# Altium PCB PCB1.PcbDoc (part 2 of 3)
Units mil, origin at the board's own origin, x right, y up, seen from the top; angles counter-clockwise.
Board outline 3150.03 x 1875.03 mil, 2 copper layers (Top Layer, Bottom Layer); 72 components, 86 nets, 315 pads, 165 vias.
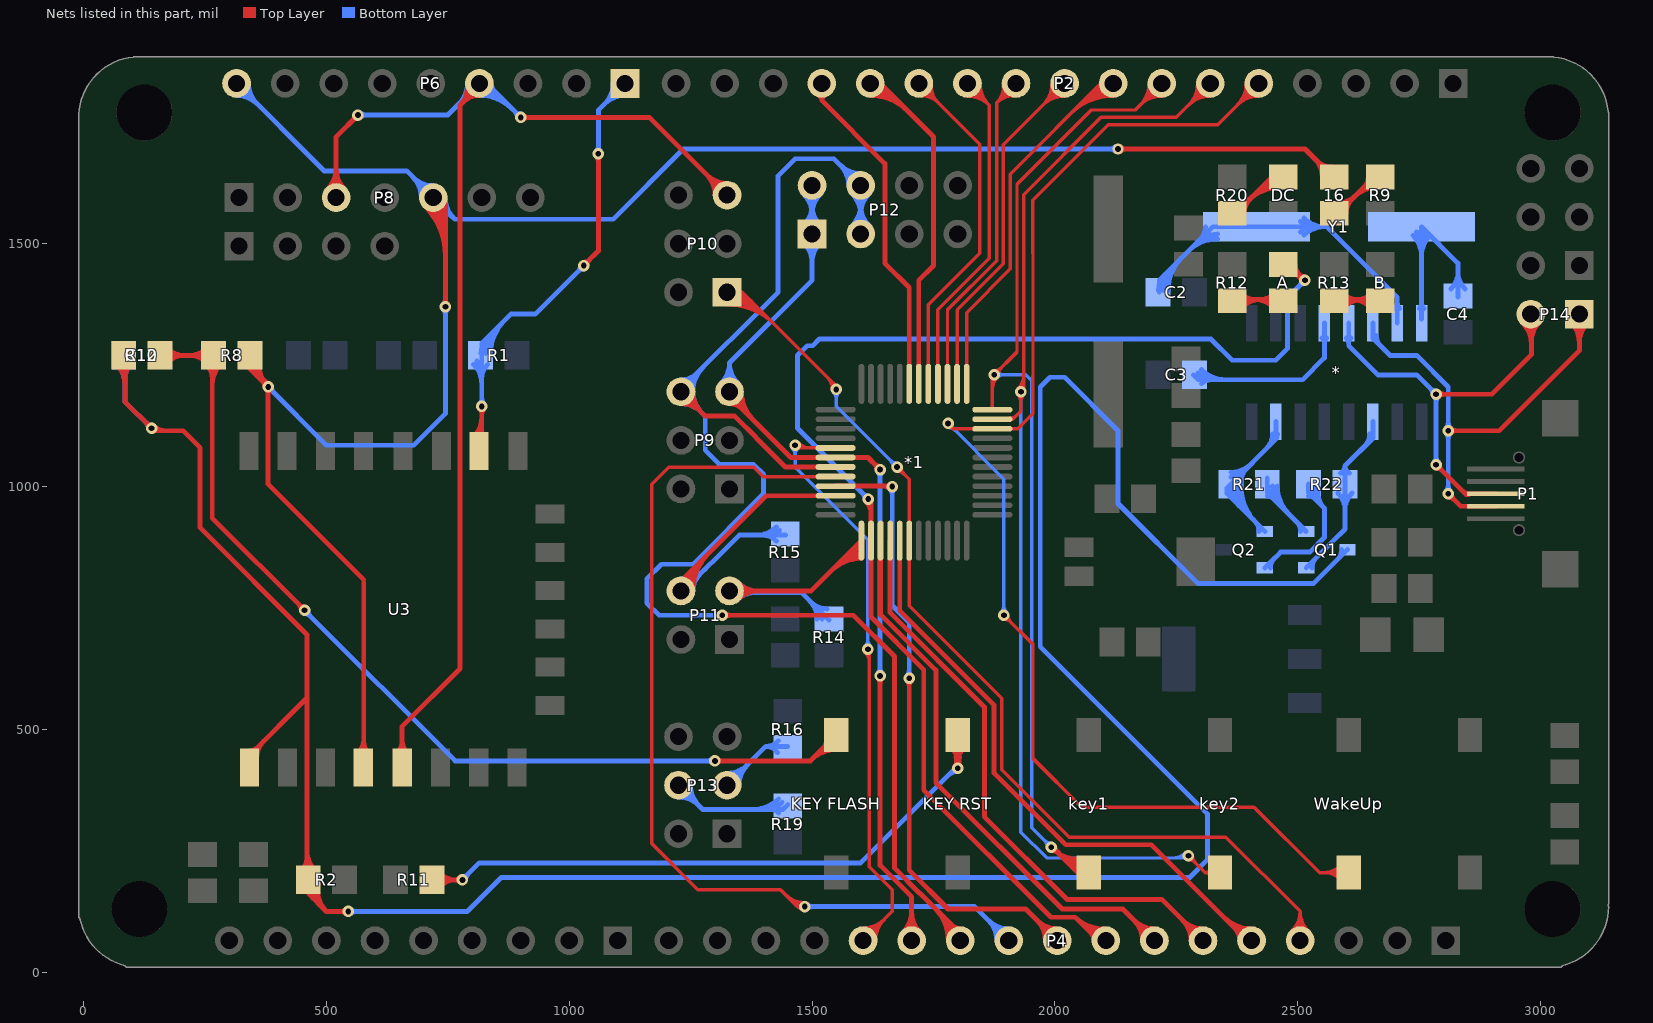
[diagram p2: the nets of this part, all layers, seen from the top]

## Via types
v1: diameter 23.62, hole 11.81, Top Layer to Bottom Layer, tented both sides, 165 vias

## Nets (pads, with @x,y where several pads share a name; then routed paths per layer and width w, separated by ;. In a path a pad name is that pad's centre, name@x,y a point inside that pad or via, vN(x,y) a via of type N, cw(c..) or ccw(c..) an arc to the next point about the centre after c; other vN are vias at no path point) (continued)
GPIO14: P6.4 P8.3 P10.5 U3.5 | length 3441.6
  Top Layer w10: P8.3@502.66,1612.34 ccw(c460.79,1654.21) 520,1654.21 ccw(c579.21,1654.21) P8.3@537.34,1612.34 ; P8.3@509.73,1605.27 ccw(c484.93,1630.07) 520,1630.07 ccw(c555.07,1630.07) P8.3@530.27,1605.27 ; P8.3@520,1595 520,1720 v1(565,1765) ; v1@558.19,1765 cw(c541.75,1765) 553.37,1753.37 cw(c565,1741.75) v1@565,1758.19 ; U3.5@645.79,451.57 ccw(c621.14,476.22) 656,476.22 ; U3.5@656,432 656,506 775,625 775,1785 ; 656,477.06 ccw(c692.04,477.06) U3.5@666.56,451.57 ; 781.66,1791.66 cw(c815,1758.33) P6.4@815,1805.47 ; 790.15,1800.15 ccw(c764.74,1825.55) P6.4@800.53,1828.72 ; P6.4@790.57,1827.84 cw(c736.92,1823.09) 775,1785 ; P6.4@820,1830 775,1785 ; v1(900,1760) 1165,1760 P10.5@1325,1600 ; v1@904.82,1755.18 cw(c916.44,1743.56) 916.44,1760 cw(c916.44,1776.44) v1@904.82,1764.82 ; P10.5@1300.47,1600 ccw(c1241.26,1600) 1283.13,1641.87 ccw(c1325,1683.74) P10.5@1325,1624.53 ; P10.5@1310.47,1600 ccw(c1275.4,1600) 1300.2,1624.8 ccw(c1325,1649.6) P10.5@1325,1614.53
  Bottom Layer w10: v1(565,1765) 750,1765 P6.4@815,1830 830,1830 v1(900,1760) ; v1@569.82,1760.18 cw(c581.44,1748.56) 581.44,1765 cw(c581.44,1781.44) v1@569.82,1769.82 ; P6.4@790.47,1830 cw(c731.26,1830) 773.13,1788.13 cw(c815,1746.26) 815,1805.47 cw(c815,1710.04) 882.48,1777.52 ; P6.4@800.47,1830 cw(c765.4,1830) 790.2,1805.2 cw(c815,1780.4) 815,1815.47 cw(c815,1744.19) 865.41,1794.59 ; P6.4@815,1825.47 cw(c815,1778.33) 848.34,1811.66 ; P6.4@839.53,1830 ccw(c862.53,1830) 846.26,1813.74 ; v1@893.19,1760 ccw(c876.75,1760) 888.37,1771.63 ccw(c900,1783.25) v1@900,1766.81
GPIO15: P6.1 R1.2 U3.16 | length 1597.5
  Top Layer w10: U3.16@803.66,1102.99 ccw(c764.22,1142.43) 820,1142.43 ; U3.16@810.73,1095.92 ccw(c788.37,1118.29) 820,1118.29 ; U3.16@811.5,1066.5 811.5,1049 820,1057.5 v1(820,1165) ; v1@815.18,1160.18 cw(c803.56,1148.56) 820,1148.56 cw(c836.44,1148.56) v1@824.82,1160.18 ; 820,1113.69 ccw(c835.13,1113.69) U3.16@824.43,1102.99 ; v1@1030,1461.81 ccw(c1030,1478.25) 1041.63,1466.63 ccw(c1053.25,1455) v1@1036.81,1455 ; v1@1037.5,1462.5 1060,1485 v1(1060,1685) ; v1@1055.18,1680.18 cw(c1043.56,1668.56) 1060,1668.56 cw(c1076.44,1668.56) v1@1064.82,1680.18
  Bottom Layer w10: R1.2@803.04,1251.5 cw(c762.09,1210.56) 820,1210.56 ; R1.2@810.11,1258.57 cw(c786.23,1234.7) 820,1234.7 ; v1@815.18,1169.82 ccw(c803.56,1181.44) 820,1181.44 ccw(c836.44,1181.44) v1@824.82,1169.82 ; R1.2@818.19,1273.94 cw(c864.67,1273.94) 831.8,1306.8 ; v1(820,1165) 820,1295 880,1355 930,1355 v1(1030,1455) ; 820,1222.15 cw(c861.51,1222.15) R1.2@832.16,1251.5 ; R1.2@828.19,1273.94 cw(c898.81,1273.94) 848.87,1323.87 ; R1.2@838.19,1273.94 cw(c932.95,1273.94) 865.94,1340.94 ; v1@1023.19,1455 cw(c1006.75,1455) 1018.37,1443.37 cw(c1030,1431.75) v1@1030,1448.19 ; v1@1055.18,1689.82 ccw(c1043.56,1701.44) 1060,1701.44 ccw(c1076.44,1701.44) v1@1064.82,1689.82 ; v1(1060,1685) 1060,1775 P6.1@1115,1830 ; P6.1@1090.47,1830 cw(c1031.26,1830) 1073.13,1788.13 cw(c1115,1746.26) P6.1@1115,1805.47 ; P6.1@1100.47,1830 cw(c1065.4,1830) 1090.2,1805.2 cw(c1115,1780.4) P6.1@1115,1815.47
GPIO16: 16.2 P6.9 P8.5 R8.2 U3.4 | length 5600.6
  Top Layer w10: R8.2@335,1270 335,1250 v1(380,1205) ; R8.2@342.98,1265.95 ccw(c380.51,1258.58) 353.46,1231.54 ; R8.2@352.79,1264.02 ccw(c402.68,1254.22) 366.73,1218.27 ; R8.2@362.61,1262.09 ccw(c424.86,1249.86) v1(380,1205) ; v1@373.19,1205 ccw(c356.75,1205) 368.37,1216.63 ccw(c380,1228.25) v1@380,1211.81 ; v1@373.42,1206.76 ccw(c357.54,1211.02) 371.78,1219.24 ccw(c386.02,1227.46) v1@381.76,1211.58 ; v1@375.18,1200.18 cw(c363.56,1188.56) 380,1188.56 cw(c396.44,1188.56) v1@384.82,1200.18 ; U3.4@565.47,451.57 ccw(c537.65,479.39) 577,479.39 ; U3.4@577,432 577,803 ; 577,473.88 ccw(c608.55,473.88) U3.4@586.24,451.57 ; 577,808 380,1005 v1(380,1205) ; P8.5@702.66,1577.66 cw(c600.43,1475.43) 745,1475.43 ; P8.5@709.73,1584.73 cw(c624.57,1499.57) 745,1499.57 ; P8.5@716.8,1591.8 cw(c648.71,1523.71) 745,1523.71 ; P8.5@723.87,1598.87 cw(c672.86,1547.86) 745,1547.86 ; P8.5@730.94,1605.94 cw(c697,1572) 745,1572 ; v1@740.18,1374.82 ccw(c728.56,1386.44) 745,1386.44 ccw(c761.44,1386.44) v1@749.82,1374.82 ; v1@745,1365 P8.5@745,1580 ; v1(2130,1695) 2515,1695 16.2@2575,1635 ; v1@2134.82,1690.18 cw(c2146.44,1678.56) 2146.44,1695 cw(c2146.44,1711.44) v1@2134.82,1699.82 ; 2534.83,1675.17 cw(c2497.06,1637.4) 16.2@2550.47,1637.4 ; 2538.53,1671.47 ccw(c2571.06,1704) 16.2@2571.06,1657.99 ; 16.2@2551.9,1658.1 cw(c2531.2,1637.4) 16.2@2560.47,1637.4
  Bottom Layer w10: P6.9@315,1805.47 cw(c315,1746.26) 356.87,1788.13 cw(c398.74,1830) P6.9@339.53,1830 ; P6.9@315,1815.47 cw(c315,1780.4) 339.8,1805.2 cw(c364.6,1830) P6.9@329.53,1830 ; P6.9@315,1830 495,1650 665,1650 P8.5@720,1595 764.5,1550.5 1090.5,1550.5 1235,1695 v1(2130,1695) ; v1@380,1198.19 cw(c380,1181.75) 391.63,1193.37 cw(c403.25,1205) v1@386.81,1205 ; v1(380,1205) 500,1085 680,1085 745,1150 v1@745,1365 ; P8.5@695.47,1595 ccw(c636.26,1595) 678.13,1636.87 ccw(c720,1678.74) P8.5@720,1619.53 ; P8.5@705.47,1595 ccw(c670.4,1595) 695.2,1619.8 ccw(c720,1644.6) P8.5@720,1609.53 ; P8.5@720,1570.47 cw(c720,1511.26) 761.87,1553.13 cw(c803.74,1595) P8.5@744.53,1595 ; P8.5@720,1580.47 cw(c720,1545.4) 744.8,1570.2 cw(c769.6,1595) P8.5@734.53,1595 ; v1@740.18,1365.18 cw(c728.56,1353.56) 745,1353.56 cw(c761.44,1353.56) v1@749.82,1365.18 ; v1@2125.18,1690.18 ccw(c2113.56,1678.56) 2113.56,1695 ccw(c2113.56,1711.44) v1@2125.18,1699.82
  other v1: 745,1370
Net*_4: *.4 C3.1 | length 504.4
  Bottom Layer w10: C3.1@2285,1230 2295,1220 2510,1220 2555,1265 *.4@2555,1336.38 ; C3.1@2294.89,1233.55 ccw(c2327.61,1266.27) 2327.61,1220 ; C3.1@2301.96,1211.5 cw(c2322.47,1190.99) 2322.47,1220 ; C3.1@2301.96,1240.62 ccw(c2351.75,1290.41) 2351.75,1220 ; *.4@2550.18,1305.97 cw(c2538.56,1294.34) 2555,1294.34 cw(c2571.44,1294.34) *.4@2559.82,1305.97
Net*_5: *.5 P1.3 P14.2 | length 1205.2
  Top Layer w10: v1@2785,1038.19 cw(c2785,1021.75) 2796.63,1033.37 cw(c2808.25,1045) v1@2791.81,1045 ; v1(2785,1045) 2845,985 ; v1(2785,1190) 2900,1190 2981.31,1271.31 2981.31,1353.69 P14.2@2980,1355 ; v1@2789.82,1185.18 cw(c2801.44,1173.56) 2801.44,1190 cw(c2801.44,1206.44) v1@2789.82,1194.82 ; 2838.76,991.24 ccw(c2854.02,1006.5) P1.3@2854.02,984.92 ; P1.3@2854.07,984.94 cw(c2849.56,989.56) 2845,985 ; P1.3@2908.15,985 2845,985 ; P14.2@2962.66,1337.66 cw(c2917.62,1292.62) 2981.31,1292.62 ; P14.2@2969.73,1344.73 cw(c2941.76,1316.76) 2981.31,1316.76 ; 2981.31,1298.95 cw(c3036.05,1298.95) P14.2@2997.34,1337.66 ; 2981.31,1323.09 cw(c3011.91,1323.09) P14.2@2990.27,1344.73
  Bottom Layer w10: *.5@2600.18,1305.97 cw(c2588.56,1294.34) 2605,1294.34 cw(c2621.44,1294.34) *.5@2609.82,1305.97 ; *.5@2605,1336.38 2605,1290 2665,1230 2745.19,1230 2785,1190.19 v1(2785,1045) ; 2773.24,1201.96 cw(c2761.28,1190) v1@2778.19,1190 ; 2773.71,1201.49 ccw(c2785,1212.78) v1@2785,1196.81 ; v1@2780.18,1049.82 ccw(c2768.56,1061.44) 2785,1061.44 ccw(c2801.44,1061.44) v1@2789.82,1049.82 ; v1@2780.18,1185.18 cw(c2768.56,1173.56) 2785,1173.56 cw(c2801.44,1173.56) v1@2789.82,1185.18
Net*_6: *.6 P1.4 P14.1 | length 1271
  Top Layer w10: v1@2810,978.19 cw(c2810,961.75) 2821.63,973.37 cw(c2833.25,985) v1@2816.81,985 ; v1(2810,985) 2835.59,959.41 P1.4@2908.15,959.41 ; v1(2810,1115) 2915,1115 3080,1280 P14.1@3080,1355 ; v1@2814.82,1110.18 cw(c2826.44,1098.56) 2826.44,1115 cw(c2826.44,1131.44) v1@2814.82,1119.82 ; P14.1@3062.66,1337.66 cw(c3020.79,1295.79) 3080,1295.79 cw(c3139.21,1295.79) P14.1@3097.34,1337.66 ; P14.1@3069.73,1344.73 cw(c3044.93,1319.93) 3080,1319.93 cw(c3115.07,1319.93) P14.1@3090.27,1344.73
  Bottom Layer w10: *.6@2655,1336.38 2655,1305 2690,1270 2745,1270 2810,1205 v1(2810,985) ; *.6@2661.81,1310.79 ccw(c2692.23,1310.79) 2670.72,1289.28 ; v1@2805.18,989.82 ccw(c2793.56,1001.44) 2810,1001.44 ccw(c2826.44,1001.44) v1@2814.82,989.82 ; v1@2805.18,1110.18 cw(c2793.56,1098.56) 2810,1098.56 cw(c2826.44,1098.56) v1@2814.82,1110.18 ; v1@2805.18,1119.82 ccw(c2793.56,1131.44) 2810,1131.44 ccw(c2826.44,1131.44) v1@2814.82,1119.82
Net*_7: *.7 C2.2 Y1.1 | length 1160.4
  Bottom Layer w10: C2.2@2213.19,1403.94 cw(c2259.67,1403.94) 2226.8,1436.8 ; C2.2@2215,1400 2215,1425 2325,1535 Y1.1@2415,1535 2560,1535 2705,1390 *.7@2705,1336.38 ; C2.2@2223.19,1403.94 cw(c2293.81,1403.94) 2243.87,1453.87 ; C2.2@2233.19,1403.94 cw(c2327.95,1403.94) 2260.94,1470.94 ; 2275.25,1485.25 cw(c2335,1425.5) Y1.1@2335,1510 ; 2292.32,1502.32 cw(c2335,1459.64) Y1.1@2335,1520 ; 2299.39,1509.39 ccw(c2273.79,1535) Y1.1@2310,1535 ; Y1.1@2505.61,1524.39 cw(c2531.21,1498.79) 2531.21,1535 cw(c2531.21,1571.21) Y1.1@2505.61,1545.61 ; Y1.1@2512.68,1517.32 cw(c2555.36,1474.64) 2555.36,1535 cw(c2555.36,1595.36) Y1.1@2512.68,1552.68 ; *.7@2700.18,1366.78 ccw(c2688.56,1378.41) 2705,1378.41 ccw(c2721.44,1378.41) *.7@2709.82,1366.78
Net*_8: *.8 C4.2 Y1.2 | length 621.7
  Bottom Layer w10: Y1.2@2737.32,1517.32 cw(c2694.64,1474.64) 2755,1474.64 cw(c2815.36,1474.64) Y1.2@2772.68,1517.32 ; Y1.2@2744.39,1524.39 cw(c2718.79,1498.79) 2755,1498.79 cw(c2791.21,1498.79) Y1.2@2765.61,1524.39 ; *.8@2750.18,1366.78 ccw(c2738.56,1378.41) 2755,1378.41 ccw(c2771.44,1378.41) *.8@2759.82,1366.78 ; *.8@2755,1345 Y1.2@2755,1535 2830,1460 C4.2@2830,1390 ; C4.2@2815.44,1406.96 ccw(c2780.29,1442.11) 2830,1442.11 ccw(c2879.71,1442.11) C4.2@2844.56,1406.96
Net*_11: *.11 Q1.3 R22.1 | length 523.9
  Bottom Layer w10: Q1.3@2517.68,832.6 2517.68,832.68 2571.92,886.92 2572,886.92 2597.4,912.32 R22.1@2597.4,1005 2597.4,1042.4 ; Q1.3@2529.41,832.6 cw(c2557.92,832.6) 2537.76,852.76 ; R22.1@2582.84,986.5 cw(c2547.69,951.35) 2597.4,951.35 cw(c2647.11,951.35) R22.1@2611.96,986.5 ; R22.1@2588.12,1027.32 ccw(c2580.5,1042.4) 2597.4,1042.4 ; R22.1@2606.68,1027.32 cw(c2614.3,1042.4) 2597.4,1042.4 ; 2637.69,1082.69 ccw(c2612.36,1108.03) *.11@2648.19,1108.03 ; *.11@2655,1133.62 2655,1100 2597.4,1042.4
Net*_15: *.15 Q2.3 R21.1 | length 670.4
  Bottom Layer w10: R21.1@2362.6,1019.53 ccw(c2362.6,1054.6) R21.1@2387.4,1029.8 ; R21.1@2362.6,1029.53 ccw(c2362.6,1088.74) 2404.47,1046.87 ; R21.1@2363.19,1001.06 ccw(c2421.74,1001.06) 2380.34,959.66 ; R21.1@2373.19,1001.06 ccw(c2455.88,1001.06) 2397.41,942.59 ; R21.1@2383.19,1001.06 ccw(c2490.02,1001.06) 2414.48,925.52 ; R21.1@2383.19,1008.94 cw(c2423.39,1008.94) 2394.96,1037.37 ; 2412.1,927.9 cw(c2391.6,907.4) Q2.3@2420.59,907.4 ; Q2.3@2432.32,907.4 2432.32,907.68 2354.57,985.43 2354.57,996.97 R21.1@2362.6,1005 2455,1097.4 *.15@2455,1133.62 ; 2435.86,1078.26 ccw(c2406.08,1108.03) *.15@2448.19,1108.03 ; 2452.93,1095.33 ccw(c2440.22,1108.03) *.15@2458.19,1108.03
NetA_1: A.1 R12.2 | length 314.2
  Top Layer w10: R12.2@2365,1385 A.1@2470,1385 ; R12.2@2376.43,1375.11 cw(c2400.3,1351.23) 2400.3,1385 ; R12.2@2383.5,1368.04 cw(c2424.44,1327.09) 2424.44,1385 ; R12.2@2383.5,1397.16 ccw(c2412.85,1426.51) 2412.85,1385 ; 2410.56,1385 cw(c2410.56,1327.09) A.1@2451.5,1368.04 ; 2422.15,1385 ccw(c2422.15,1426.51) A.1@2451.5,1397.16 ; 2434.7,1385 cw(c2434.7,1351.23) A.1@2458.57,1375.11
NetB_1: B.1 R13.2 | length 299.2
  Top Layer w10: R13.2@2570,1385 B.1@2660,1385 ; R13.2@2586.43,1375.11 cw(c2610.3,1351.23) 2610.3,1385 ; R13.2@2593.5,1368.04 cw(c2634.44,1327.09) 2634.44,1385 ; R13.2@2593.5,1397.16 ccw(c2622.85,1426.51) 2622.85,1385 ; 2610.56,1385 cw(c2610.56,1327.09) B.1@2651.5,1368.04 ; 2622.15,1385 ccw(c2622.15,1426.51) B.1@2651.5,1397.16 ; 2634.7,1385 cw(c2634.7,1351.23) B.1@2658.57,1375.11
NetD3_1: 16.1 R9.1 | length 343.7
  Top Layer w10: 16.1@2575,1565 2585,1565 2655,1635 R9.1@2670,1635 ; 16.1@2578.94,1573.19 ccw(c2578.94,1607.6) 16.1@2603.27,1583.27 ; 16.1@2578.94,1583.19 ccw(c2578.94,1641.74) 2620.34,1600.34 ; 16.1@2599.53,1562.6 cw(c2640.4,1562.6) 2611.5,1591.5 ; 2616.13,1596.13 cw(c2666.06,1546.19) R9.1@2666.06,1616.81 ; 2633.2,1613.2 cw(c2666.06,1580.33) R9.1@2666.06,1626.81 ; 2637.04,1617.04 ccw(c2616.67,1637.4) R9.1@2645.47,1637.4
NetD4_2: DC.2 R20.1 | length 405.5
  Top Layer w10: R20.1@2365,1565 2375,1565 2445,1635 DC.2@2470,1635 ; R20.1@2368.94,1573.19 ccw(c2368.94,1607.6) R20.1@2393.27,1583.27 ; R20.1@2368.94,1583.19 ccw(c2368.94,1641.74) 2410.34,1600.34 ; R20.1@2389.53,1562.6 cw(c2430.4,1562.6) 2401.5,1591.5 ; 2399.06,1589.06 cw(c2466.06,1522.05) DC.2@2466.06,1616.81 ; 2416.13,1606.13 cw(c2466.06,1556.19) DC.2@2466.06,1626.81 ; 2433.2,1623.2 cw(c2466.06,1590.33) DC.2@2466.06,1636.81
NetP13_3: P13.3 R16.2 | length 363.5
  Bottom Layer w10: P13.3@1325,385 1405,465 ; P13.3@1325,399.53 ccw(c1325,434.6) 1349.8,409.8 ccw(c1374.6,385) P13.3@1339.53,385 ; P13.3@1325,409.53 ccw(c1325,468.74) 1366.87,426.87 ccw(c1408.74,385) P13.3@1349.53,385 ; R16.2@1428.51,451.84 ccw(c1405,437.43) 1405,465 ; R16.2@1430.81,476.43 cw(c1405,499.85) 1405,465 ; R16.2@1450,465 1405,465
NetP13_4: P13.4 R19.1 | length 516
  Bottom Layer w10: P13.4@1225,360.47 cw(c1225,301.26) 1266.87,343.13 cw(c1308.74,385) P13.4@1249.53,385 ; P13.4@1225,370.47 cw(c1225,335.4) 1249.8,360.2 cw(c1274.6,385) P13.4@1239.53,385 ; P13.4@1225,385 1275,335 1440,335 R19.1@1450,345 ; 1378.48,335 ccw(c1378.48,409.98) R19.1@1431.5,356.96 ; 1402.63,335 ccw(c1402.63,385.84) R19.1@1438.57,349.89 ; 1414.22,335 cw(c1414.22,310.56) R19.1@1431.5,327.84
NetQ1_2: Q1.2 R21.2 | length 315.5
  Bottom Layer w10: R21.2@2437.4,980.47 cw(c2437.4,963.08) 2449.7,975.38 ; R21.2@2437.4,1017.4 R21.2@2437.4,1005 2437.4,987.68 Q1.2@2517.68,907.4 ; R21.2@2437.99,1001.06 ccw(c2471.73,1001.06) R21.2@2447.87,977.2 ; R21.2@2447.99,1001.06 ccw(c2505.88,1001.06) 2464.95,960.13 ; R21.2@2457.99,1001.06 ccw(c2540.02,1001.06) 2482.02,943.06 ; 2497.65,927.43 cw(c2477.62,907.4) Q1.2@2505.94,907.4
NetQ2_2: Q2.2 R22.2 | length 386.2
  Bottom Layer w10: Q2.2@2432.32,832.6 2464.72,865 2525,865 2555,895 2555,955 ; Q2.2@2444.06,832.6 cw(c2472.38,832.6) 2452.35,852.63 ; R22.2@2522.6,980.47 cw(c2522.6,963.74) R22.2@2534.43,975.57 ; R22.2@2522.6,1005 2522.6,987.4 2555,955 ; R22.2@2532.95,998.82 ccw(c2565.78,991.72) 2542.03,967.97 ; R22.2@2542.72,996.71 ccw(c2587.11,987.11) 2555,955
NetR8_1: "KEY FLASH.1" R8.1 R10.1 | length 2426.2
  Top Layer w10: R10.1@170,1270 R8.1@265,1270 ; R10.1@171.96,1255.44 cw(c207.11,1220.29) 207.11,1270 cw(c207.11,1319.71) R10.1@171.96,1284.56 ; R8.1@253.04,1251.5 cw(c224.16,1222.63) 265,1222.63 ; R8.1@253.04,1255.44 ccw(c217.89,1220.29) 217.89,1270 ccw(c217.89,1319.71) R8.1@253.04,1284.56 ; 265,1210.08 cw(c323.58,1210.08) R8.1@282.16,1251.5 ; 265,1234.22 cw(c299.44,1234.22) R8.1@275.09,1258.57 ; R8.1@265,1265 265,935 v1(455,745) ; v1@448.19,745 ccw(c431.75,745) 443.37,756.63 ccw(c455,768.25) v1@455,751.81 ; v1@1300,440 1305,435 1496.54,435 1550,488.46 ; v1@1304.82,430.18 cw(c1316.44,418.56) 1316.44,435 cw(c1316.44,451.44) v1@1304.82,439.82 ; 1498.79,437.25 cw(c1550,386.04) 1550,458.46 ; 1515.86,454.32 cw(c1550,420.18) 1550,468.46 ; 1522.93,461.39 ccw(c1505.86,478.46) 1530,478.46
  Bottom Layer w10: v1@452.5,742.5 457.5,742.5 765,435 v1(1300,435) v1@1305,435 ; v1@455,738.19 cw(c455,721.75) 466.63,733.37 cw(c478.25,745) v1@461.81,745 ; v1@1295.18,430.18 ccw(c1283.56,418.56) 1283.56,435 ccw(c1283.56,451.44) v1@1295.18,439.82
NetR11_1: "KEY RST.1" R11.1 | length 1560.1
  Top Layer w10: R11.1@697.4,190 v1(780,190) ; R11.1@731.96,175.44 cw(c767.11,140.29) 767.11,190 cw(c767.11,239.71) R11.1@731.96,204.56 ; v1@775.18,185.18 ccw(c763.56,173.56) 763.56,190 ccw(c763.56,206.44) v1@775.18,194.82 ; 1785.86,464.32 cw(c1751.72,430.18) 1800,430.18 cw(c1848.28,430.18) 1814.14,464.32 ; v1@1794.1,423.41 ccw(c1772.07,436.13) 1796.64,442.71 ; v1@1795.18,424.82 ccw(c1783.56,436.44) 1800,436.44 ccw(c1816.44,436.44) v1@1804.82,424.82 ; v1(1800,420) 1800,488.46 ; 1803.36,442.71 ccw(c1827.93,436.13) v1@1805.9,423.41
  Bottom Layer w10: v1(780,190) 815,225 1600,225 1795,420 v1(1800,420) ; v1@780,196.81 ccw(c780,213.25) 791.63,201.63 ccw(c803.25,190) v1@786.81,190 ; 1779.84,404.84 cw(c1800,384.67) v1@1800,413.19
NRST: C12.1 Q1.1 R2.2 R10.2 U3.1 | length 6329.7
  Top Layer w10: R10.2@68.04,1251.5 cw(c27.09,1210.56) 85,1210.56 ; R10.2@75.11,1258.57 cw(c51.23,1234.7) 85,1234.7 ; 85,1222.15 cw(c126.51,1222.15) R10.2@97.16,1251.5 ; R10.2@100,1270 85,1255 85,1175 v1(140,1120) 145,1115 205,1115 240,1080 240,915 460,695 460,565 ; v1@133.19,1120 ccw(c116.75,1120) 128.37,1131.63 ccw(c140,1143.25) v1@140,1126.81 ; v1@144.82,1124.82 ccw(c168.51,1148.51) 168.51,1115 ; U3.1@342,421.5 342,447 460,565 ; U3.1@342,455.87 ccw(c342,477.28) 357.14,462.14 ; U3.1@346.69,441.19 cw(c372.03,441.19) U3.1@354.11,459.11 ; U3.1@356.68,441.19 cw(c406.18,441.19) 371.18,476.18 ; R2.2@448.04,208.5 ccw(c419.16,237.37) 460,237.37 ; 460,225.78 ccw(c494.44,225.78) R2.2@470.09,201.43 ; 460,249.92 ccw(c518.58,249.92) R2.2@477.16,208.5 ; R2.2@462.6,190 462.6,162.4 500,125 ; R2.2@463.18,185.95 ccw(c500.63,178.4) 473.62,151.38 ; R2.2@465,190 460,195 460,565 ; R2.2@472.98,183.97 ccw(c522.59,173.98) 486.81,138.19 ; R2.2@482.78,182 ccw(c544.55,169.56) 500,125 ; v1@540.18,120.18 ccw(c528.56,108.56) 528.56,125 ccw(c528.56,141.44) v1@540.18,129.82 ; v1(545,125) 500,125
  Bottom Layer w10: C12.1@68.04,1251.5 cw(c27.09,1210.55) 85,1210.55 ; C12.1@75.11,1258.57 cw(c51.23,1234.7) 85,1234.7 ; 85,1222.15 cw(c126.51,1222.15) C12.1@97.16,1251.5 ; C12.1@100,1270 85,1255 85,1175 v1(140,1120) ; v1@133.19,1120 ccw(c116.75,1120) 128.37,1131.63 ccw(c140,1143.25) v1@140,1126.81 ; v1(545,125) 790,125 860,195 2277.89,195 2314,231.11 2314,326 1970,670 1970,1205 1990,1225 2020,1225 2130,1115 2130,965 2295,800 2532.32,800 Q1.1@2602.32,870 ; v1@549.82,120.18 cw(c561.44,108.56) 561.44,125 cw(c561.44,141.44) v1@549.82,129.82 ; 2582.29,849.97 ccw(c2562.27,870) Q1.1@2590.59,870
PA0: *1.10 P2.5 WakeUp.2 | length 3129.5
  Top Layer w7: v1(1780,1130) 1791.1,1118.9 ; v1@1781.56,1121.84 cw(c1783.55,1111.35) 1791.1,1118.9 ; v1@1788.16,1128.44 ccw(c1798.65,1126.45) 1791.1,1118.9 ; v1@1895,726.69 cw(c1895,706.62) 1909.19,720.81 cw(c1923.38,735) v1@1903.31,735 ; v1(1895,735) 1955,675 1955,440 2055,340 2410,340 2545,205 WakeUp.2@2605,205 ; P2.5@2393.97,1830 cw(c2331.14,1830) 2375.57,1785.57 cw(c2420,1741.14) P2.5@2420,1803.97 ; P2.5@2400.97,1830 cw(c2355.04,1830) 2387.52,1797.52 cw(c2420,1765.04) P2.5@2420,1810.97 ; P2.5@2420,1830 2335,1745 2110,1745 1954.7,1589.7 1954.7,1480.16 1955,1479.85 1955,1228.03 1954.5,1227.53 1954.5,1149.5 1923.9,1118.9 *1.10@1871.42,1118.9 1791.1,1118.9 ; WakeUp.2@2589.8,189.8 ccw(c2553.09,153.09) 2553.09,205 ccw(c2553.09,256.91) WakeUp.2@2589.8,220.2 ; WakeUp.2@2594.75,194.75 ccw(c2569.99,169.99) 2569.99,205 ccw(c2569.99,240.01) WakeUp.2@2594.75,215.25
  Bottom Layer w7: v1@1780,1121.69 cw(c1780,1101.62) 1794.19,1115.81 cw(c1808.38,1130) v1@1788.31,1130 ; v1(1780,1130) 1895,1015 1895,747.5 ; v1@1889.12,740.88 ccw(c1874.94,755.06) 1895,755.06 ccw(c1915.06,755.06) v1@1900.88,740.88 ; v1@1891.78,742.66 ccw(c1889.76,747.5) 1895,747.5 ; v1@1898.22,742.66 cw(c1900.24,747.5) 1895,747.5
PA1: *1.11 key2.2 P2.6 | length 2750.3
  Top Layer w7: *1.11@1871.42,1138.58 1913.58,1138.58 1930,1155 v1(1930,1195) 1936,1201 1936,1601 2095,1760 2250,1760 P2.6@2320,1830 ; *1.11@1906.85,1140.99 ccw(c1906.85,1163.05) 1922.45,1147.45 ; v1@1924.12,1189.12 cw(c1909.94,1174.94) 1930,1174.94 cw(c1950.06,1174.94) v1@1935.88,1189.12 ; v1@1924.12,1200.88 ccw(c1895.45,1229.55) 1936,1229.55 ; v1@1929.07,1195.93 ccw(c1912.35,1212.65) 1936,1212.65 ; v1@2275,231.69 cw(c2275,211.62) 2289.19,225.81 cw(c2303.38,240) v1@2283.31,240 ; v1(2275,240) 2310,205 ; P2.6@2293.97,1830 cw(c2231.14,1830) 2275.57,1785.57 cw(c2320,1741.14) P2.6@2320,1803.97 ; P2.6@2300.97,1830 cw(c2255.04,1830) 2287.52,1797.52 cw(c2320,1765.04) P2.6@2320,1810.97 ; key2.2@2319.64,198.09 ccw(c2310,194.82) 2310,205 ; key2.2@2319.64,211.91 cw(c2310,215.18) 2310,205 ; key2.2@2340,205 2310,205
  Bottom Layer w7: v1@1924.12,1189.12 cw(c1909.94,1174.94) 1930,1174.94 cw(c1950.06,1174.94) v1@1935.88,1189.12 ; v1(1930,1195) 1930,288.45 1983.26,235.19 2270.19,235.19 v1(2275,240) ; 2243.32,235.19 ccw(c2243.32,271.68) v1@2269.12,245.88 ; 2260.22,235.19 ccw(c2260.22,254.78) v1@2274.07,240.93
PA2: *1.12 key1.2 P2.7 | length 2848.1
  Top Layer w7: v1@1869.12,1224.12 cw(c1863.58,1218.58) 1871.42,1218.58 ; *1.12@1871.42,1158.27 1871.42,1226.42 v1(1875,1230) 1922,1277 1922,1622 2075.29,1775.29 2165.29,1775.29 P2.7@2220,1830 P2.7@2200,1830 ; 1871.42,1201.29 cw(c1903.71,1201.29) v1@1880.88,1224.12 ; 1871.42,1218.19 cw(c1886.81,1218.19) v1@1875.93,1229.07 ; v1@1875,1238.31 ccw(c1875,1258.38) 1889.19,1244.19 ccw(c1903.38,1230) v1@1883.31,1230 ; v1@1992.5,249.19 cw(c1992.5,229.12) 2006.69,243.31 cw(c2020.88,257.5) v1@2000.81,257.5 ; v1@1993.95,249.32 cw(c1996.11,237.07) 2003.24,247.26 ; v1@1994.4,249.41 cw(c1998.98,229.88) 2009.55,246.93 cw(c2020.13,263.98) v1@2000.59,259.4 ; v1@1994.45,249.42 cw(c1996.72,240.05) 2002.25,247.95 cw(c2005.44,252.5) v1@2000.25,254.51 ; v1@2000.68,258.95 ccw(c2027.95,263.76) 2012.08,241.07 ; 2001.58,248.42 ccw(c2051.91,298.75) key1.2@2066.94,229.17 ; 2010.66,239.34 ccw(c2055.14,283.81) key1.2@2068.42,222.33 ; 2019.75,230.25 ccw(c2058.36,268.87) key1.2@2069.89,215.49 ; 2028.83,221.17 ccw(c2061.59,253.94) key1.2@2071.37,208.65 ; 2037.91,212.09 ccw(c2064.82,239) key1.2@2072.85,201.8 ; key1.2@2046.99,203.01 ccw(c2068.04,224.07) key1.2@2074.33,194.96 ; key1.2@2065.46,236.02 cw(c2048.69,313.68) v1(1992.5,257.5) 2045,205 key1.2@2070,205 ; P2.7@2193.97,1830 cw(c2131.14,1830) 2175.57,1785.57 cw(c2220,1741.14) P2.7@2220,1803.97 ; P2.7@2200.97,1830 cw(c2155.04,1830) 2187.52,1797.52 cw(c2220,1765.04) P2.7@2220,1810.97
  Bottom Layer w7: v1(1875,1230) 1940,1230 1952.5,1217.5 1952.5,297.5 v1(1992.5,257.5) ; v1@1880.88,1224.12 cw(c1895.06,1209.94) 1895.06,1230 cw(c1895.06,1250.06) v1@1880.88,1235.88 ; v1@1984.19,257.5 ccw(c1964.12,257.5) 1978.31,271.69 ccw(c1992.5,285.88) v1@1992.5,265.81
PA3: *1.13 P2.8 | length 1109.3
  Top Layer w7: *1.13@1818.27,1211.42 1818.27,1358.27 1908,1448 1908,1643 2095,1830 P2.8@2120,1830 ; 2032.89,1767.89 cw(c2120,1680.78) P2.8@2120,1803.97 ; 2044.84,1779.84 cw(c2120,1704.68) P2.8@2120,1810.97 ; 2056.79,1791.79 cw(c2120,1728.58) P2.8@2120,1817.97 ; 2068.74,1803.74 cw(c2120,1752.48) P2.8@2120,1824.97 ; 2080.69,1815.69 cw(c2120,1776.38) P2.8@2120,1831.97
PA4: *1.14 P2.9 | length 881.2
  Top Layer w7: *1.14@1798.58,1211.42 1798.58,1363.58 1894,1459 1894,1704 P2.9@2020,1830 ; P2.9@1993.97,1830 cw(c1931.14,1830) 1975.57,1785.57 cw(c2020,1741.14) P2.9@2020,1803.97 ; P2.9@2000.97,1830 cw(c1955.04,1830) 1987.52,1797.52 cw(c2020,1765.04) P2.9@2020,1810.97
PA5: *1.15 P2.10 | length 821.7
  Top Layer w7: *1.15@1778.9,1211.42 1778.9,1364.1 1880,1465.2 1880,1790 ; P2.10@1894.05,1828 cw(c1845.74,1824.26) 1880,1790 ; P2.10@1901.03,1828.53 cw(c1865.71,1825.81) 1890.76,1800.76 cw(c1915.81,1775.71) P2.10@1918.53,1811.03 ; P2.10@1918,1804.05 ccw(c1914.26,1755.74) 1880,1790 ; P2.10@1920,1830 1880,1790
PA6: *1.16 P2.11 | length 851.9
  Top Layer w7: *1.16@1759.21,1211.42 1759.21,1364.21 1865,1470 1865,1785 P2.11@1820,1830 ; P2.11@1820,1803.97 cw(c1820,1741.14) 1864.43,1785.57 cw(c1908.86,1830) P2.11@1846.03,1830 ; P2.11@1820,1810.97 cw(c1820,1765.04) 1852.48,1797.52 cw(c1884.96,1830) P2.11@1839.03,1830
PA7: *1.17 P2.12 | length 852.7
  Top Layer w7: P2.12@1720,1830 1759,1791 ; P2.12@1721.83,1811.06 cw(c1725.03,1778.02) 1748.51,1801.49 cw(c1771.98,1824.97) P2.12@1738.94,1828.17 ; P2.12@1722.51,1804.09 cw(c1726.88,1758.89) 1759,1791 ; *1.17@1739.53,1211.42 1739.53,1374.53 1845,1480 1845,1705 1759,1791 ; P2.12@1745.91,1827.49 ccw(c1791.11,1823.12) 1759,1791
PA8: *1.29 P4.13 | length 1526.5
  Top Layer w7: v1(1465,1085) 1470.47,1079.53 *1.29@1548.58,1079.53 ; v1@1465.93,1085.93 ccw(c1481.38,1101.38) 1481.38,1079.53 ; v1@1470.88,1090.88 ccw(c1498.28,1118.28) 1498.28,1079.53 ; P4.13@1605,65 1665,125 1665,170 1617.69,217.31 1617.69,662.31 v1(1615,665) ; P4.13@1605,84.03 ccw(c1605,129.96) 1637.48,97.48 ccw(c1669.96,65) P4.13@1624.03,65 ; P4.13@1605,91.03 ccw(c1605,153.86) 1649.43,109.43 ccw(c1693.86,65) P4.13@1631.03,65 ; v1@1609.12,659.12 cw(c1588.44,638.44) 1617.69,638.44 ; 1617.69,651.43 cw(c1628.57,651.43) v1@1620.88,659.12
  Bottom Layer w7: v1@1459.12,1079.12 cw(c1444.94,1064.94) 1465,1064.94 cw(c1485.06,1064.94) v1@1470.88,1079.12 ; v1(1465,1085) 1465,1040 1615,890 v1(1615,665) ; v1@1609.12,670.88 ccw(c1594.94,685.06) 1615,685.06 ccw(c1635.06,685.06) v1@1620.88,670.88
PA9: *1.30 P4.12 P9.5 P12.1 P12.5 | length 2868.7
  Top Layer w10: P9.5@1330,1170.47 cw(c1330,1132.2) 1357.06,1159.26 ; P9.5@1330,1195 1330,1186.33 1456.48,1059.84 *1.30@1548.58,1059.84 1615.16,1059.84 1635,1040 v1@1640,1030 ; P9.5@1344.53,1195 ccw(c1400.54,1195) 1360.93,1155.39 ; P9.5@1354.53,1195 ccw(c1434.68,1195) 1378,1138.32 ; v1@1633.19,1035 ccw(c1616.75,1035) 1628.37,1046.63 ccw(c1640,1058.25) v1@1640,1041.81 ; v1@1635.18,605.18 cw(c1623.56,593.56) 1640,593.56 cw(c1656.44,593.56) v1@1644.82,605.18 ; v1(1640,610) 1640,220 1705,155 P4.12@1705,65 ; P4.12@1687.66,82.34 ccw(c1645.79,124.21) 1705,124.21 ccw(c1764.21,124.21) P4.12@1722.34,82.34 ; P4.12@1694.73,75.27 ccw(c1669.93,100.07) 1705,100.07 ccw(c1740.07,100.07) P4.12@1715.27,75.27
  Bottom Layer w10: P9.5@1312.66,1212.34 ccw(c1270.79,1254.21) 1330,1254.21 ccw(c1389.21,1254.21) P9.5@1347.34,1212.34 ; P9.5@1319.73,1205.27 ccw(c1294.93,1230.07) 1330,1230.07 ccw(c1365.07,1230.07) P9.5@1340.27,1205.27 ; P9.5@1330,1180 P9.5@1330,1195 1330,1255 1500,1425 P12.1@1500,1520 P12.5@1500,1620 ; P12.1@1482.66,1502.66 cw(c1440.79,1460.79) 1500,1460.79 cw(c1559.21,1460.79) P12.1@1517.34,1502.66 ; P12.1@1482.66,1537.34 ccw(c1440.79,1579.21) 1500,1579.21 ccw(c1559.21,1579.21) P12.1@1517.34,1537.34 ; P12.5@1482.66,1602.66 cw(c1440.79,1560.79) 1500,1560.79 cw(c1559.21,1560.79) P12.5@1517.34,1602.66 ; P12.1@1489.73,1509.73 cw(c1464.93,1484.93) 1500,1484.93 cw(c1535.07,1484.93) P12.1@1510.27,1509.73 ; P12.1@1489.73,1530.27 ccw(c1464.93,1555.07) 1500,1555.07 ccw(c1535.07,1555.07) P12.1@1510.27,1530.27 ; P12.5@1489.73,1609.73 cw(c1464.93,1584.93) 1500,1584.93 cw(c1535.07,1584.93) P12.5@1510.27,1609.73 ; v1@1635.18,614.82 ccw(c1623.56,626.44) 1640,626.44 ccw(c1656.44,626.44) v1@1644.82,614.82 ; v1@1635.18,1030.18 cw(c1623.56,1018.56) 1640,1018.56 cw(c1656.44,1018.56) v1@1644.82,1030.18 ; v1(1640,610) v1@1640,1030
  other v1: 1640,1035
PA10: *1.31 P4.11 P9.6 P12.2 P12.6 | length 4207.6
  Top Layer w10: P9.6@1230,1170.47 cw(c1230,1111.26) 1271.87,1153.13 cw(c1313.74,1195) P9.6@1254.53,1195 ; P9.6@1230,1180.47 cw(c1230,1145.4) 1254.8,1170.2 cw(c1279.6,1195) P9.6@1244.53,1195 ; P9.6@1230,1195 1280,1145 1340.96,1145 1385,1100.96 1385,1100 1444.84,1040.16 *1.31@1548.58,1040.16 ; v1(1315,735) 1585,735 1670,650 1670,214.04 1722,162.04 1722.96,162.04 1805,80 P4.11@1805,65 ; v1@1319.82,730.18 cw(c1331.44,718.56) 1331.44,735 cw(c1331.44,751.44) v1@1319.82,739.82 ; 1752.52,132.48 cw(c1685.04,65) P4.11@1780.47,65 ; 1769.59,115.41 cw(c1719.19,65) P4.11@1790.47,65 ; 1786.66,98.34 cw(c1753.33,65) P4.11@1800.47,65 ; 1788.74,96.26 ccw(c1805,112.53) P4.11@1805,89.53
  Bottom Layer w10: P9.6@1230,1170.47 cw(c1230,1111.26) 1271.87,1153.13 cw(c1313.74,1195) 1254.53,1195 cw(c1325.81,1195) 1275.41,1245.41 ; P9.6@1230,1180.47 cw(c1230,1145.4) 1254.8,1170.2 cw(c1279.6,1195) 1244.53,1195 cw(c1291.67,1195) 1258.34,1228.34 ; P9.6@1230,1219.53 ccw(c1230,1266.67) 1263.34,1233.34 ; v1@1310.18,730.18 ccw(c1298.56,718.56) 1298.56,735 ccw(c1298.56,751.44) v1@1310.18,739.82 ; v1(1315,735) 1185,735 1160,760 1160,810 1190,840 1255,840 1400,985 1400,1025 1380,1045 1310,1045 1280,1075 1280,1145 P9.6@1230,1195 1230,1200 1430,1400 1430,1640 1465,1675 1545,1675 P12.6@1600,1620 P12.2@1600,1520 ; P12.6@1575.47,1620 ccw(c1516.26,1620) 1558.13,1661.87 ccw(c1600,1703.74) P12.6@1600,1644.53 ; P12.2@1582.66,1537.34 ccw(c1540.79,1579.21) 1600,1579.21 ccw(c1659.21,1579.21) P12.2@1617.34,1537.34 ; P12.6@1582.66,1602.66 cw(c1540.79,1560.79) 1600,1560.79 cw(c1659.21,1560.79) P12.6@1617.34,1602.66 ; P12.6@1585.47,1620 ccw(c1550.4,1620) 1575.2,1644.8 ccw(c1600,1669.6) P12.6@1600,1634.53 ; P12.2@1589.73,1530.27 ccw(c1564.93,1555.07) 1600,1555.07 ccw(c1635.07,1555.07) P12.2@1610.27,1530.27 ; P12.6@1589.73,1609.73 cw(c1564.93,1584.93) 1600,1584.93 cw(c1635.07,1584.93) P12.6@1610.27,1609.73
PA11: *1.32 P4.10 | length 2244.7
  Top Layer w7: 1445.21,159.79 ccw(c1485,199.59) v1@1485,143.31 ; 1457.16,147.84 ccw(c1485,175.69) v1@1485,136.31 ; 1469.11,135.89 ccw(c1485,151.79) v1@1485,129.31 ; v1@1477.95,130.59 ccw(c1470,125.62) 1470,135 ; v1@1477.95,139.41 cw(c1470,144.38) 1470,135 ; v1(1485,135) 1470,135 ; *1.32@1548.58,1020.47 1399.53,1020.47 1380,1040 1205,1040 1170,1005 1170,265 1265,170 1435,170 1470,135
  Bottom Layer w10: v1(1485,135) 1835,135 P4.10@1905,65 ; v1@1489.82,130.18 cw(c1501.44,118.56) 1501.44,135 cw(c1501.44,151.44) v1@1489.82,139.82 ; P4.10@1880.47,65 ccw(c1821.26,65) 1863.13,106.87 ccw(c1905,148.74) P4.10@1905,89.53 ; P4.10@1890.47,65 ccw(c1855.4,65) 1880.2,89.8 ccw(c1905,114.6) P4.10@1905,79.53
PA12: *1.33 P4.9 | length 1537.7
  Top Layer w10: *1.33@1548.58,1000.79 1664.21,1000.79 v1(1665,1000) ; 1646.66,1000.79 cw(c1646.66,981.66) v1@1660.18,995.18 ; 1650.46,1000.79 ccw(c1650.46,1014.54) v1@1660.18,1004.82 ; v1@1695.18,600.18 cw(c1683.56,588.56) 1700,588.56 cw(c1716.44,588.56) v1@1704.82,600.18 ; v1(1700,605) 1700,210 1780,130 1940,130 P4.9@2005,65 ; P4.9@1980.47,65 ccw(c1921.26,65) 1963.13,106.87 ccw(c2005,148.74) P4.9@2005,89.53 ; P4.9@1990.47,65 ccw(c1955.4,65) 1980.2,89.8 ccw(c2005,114.6) P4.9@2005,79.53
  Bottom Layer w10: v1@1660.18,995.18 cw(c1648.56,983.56) 1665,983.56 cw(c1681.44,983.56) v1@1669.82,995.18 ; v1(1665,1000) 1665,755 1700,720 v1(1700,605) ; v1@1695.18,609.82 ccw(c1683.56,621.44) 1700,621.44 ccw(c1716.44,621.44) v1@1704.82,609.82
PA13/SWIO/JTMS: *1.34 P11.4 R15.2 | length 1105.2
  Top Layer w10: P11.4@1230,785 1230,805 1406.1,981.1 *1.34@1548.58,981.1 ; P11.4@1234.53,785 cw(c1293.74,785) 1251.87,826.87 ; P11.4@1244.53,785 cw(c1327.88,785) 1268.94,843.94 ; P11.4@1254.53,785 cw(c1362.03,785) 1286.01,861.01
  Bottom Layer w10: P11.4@1230,785 1235,785 1350,900 R15.2@1445,900 ; P11.4@1230,799.53 ccw(c1230,846.67) 1263.34,813.34 ; P11.4@1230,809.53 ccw(c1230,880.81) 1280.41,830.41 ; P11.4@1254.53,785 cw(c1301.67,785) 1268.34,818.34 ; 1385.56,900 ccw(c1385.56,957.91) R15.2@1426.5,916.96 ; 1397.15,900 cw(c1397.15,858.49) R15.2@1426.5,887.84 ; 1409.7,900 ccw(c1409.7,933.77) R15.2@1433.57,909.89
PA14/SWCLK/JTCK: *1.37 P11.3 R14.2 | length 1085.9
  Top Layer w10: P11.3@1330,785 1498.15,785 *1.37@1601.73,888.58 ; P11.3@1340.27,774.73 cw(c1365.07,749.93) 1365.07,785 cw(c1365.07,820.07) P11.3@1340.27,795.27 ; P11.3@1347.34,767.66 cw(c1389.21,725.79) 1389.21,785 cw(c1389.21,844.21) P11.3@1347.34,802.34 ; 1539.7,826.55 cw(c1601.73,764.51) *1.37@1601.73,852.24 ; 1556.77,843.62 cw(c1601.73,798.66) *1.37@1601.73,862.24 ; 1573.84,860.69 cw(c1601.73,832.8) *1.37@1601.73,872.24 ; 1590.91,877.76 cw(c1601.73,866.94) *1.37@1601.73,882.24
  Bottom Layer w10: P11.3@1330,785 1333.65,781.35 1478.65,781.35 R14.2@1535,725 ; P11.3@1340.27,795.27 ccw(c1373.89,828.89) 1373.89,781.35 ; P11.3@1347.34,767.66 cw(c1380.39,734.61) 1380.39,781.35 ; P11.3@1347.34,802.34 ccw(c1398.04,853.04) 1398.04,781.35 ; 1494.83,765.17 cw(c1457.06,727.4) R14.2@1510.47,727.4 ; 1498.53,761.47 ccw(c1531.06,794) R14.2@1531.06,747.99 ; R14.2@1511.9,748.1 cw(c1491.2,727.4) R14.2@1520.47,727.4
PA15/JTDI: *1.38 A.2 P4.8 | length 3165.2
  Top Layer w10: v1@1610.89,969.48 cw(c1585.48,944.07) 1621.42,944.07 ; v1(1615.71,974.29) 1621.42,968.58 *1.38@1621.42,888.58 1621.42,731.46 1730,622.88 1730,375 1992,113 2042,113 ; 2057.8,97.2 ccw(c2100.76,140.16) P4.8@2104.18,79.5 ; 2073.59,81.41 ccw(c2102.44,110.26) P4.8@2104.74,69.52 ; 2073.74,81.26 cw(c2057.47,65) P4.8@2080.47,65 ; P4.8@2103.62,89.49 cw(c2099.07,170.06) 2042,113 ; P4.8@2105,65 2090,65 2042,113 ; A.2@2470,1455 2485,1455 v1(2515,1425) ccw(c2484.4,1394.41) A.2@2477.31,1437.09 ; A.2@2475.67,1446.95 cw(c2480.49,1417.99) 2501.25,1438.75 ; A.2@2494.53,1457.4 ccw(c2523.33,1457.4) 2502.96,1437.04 ; v1@2508.19,1425 ccw(c2491.75,1425) 2503.37,1436.63 ccw(c2515,1448.25) v1@2515,1431.81 ; v1@2508.42,1423.24 ccw(c2492.54,1418.98) 2500.76,1433.22 ccw(c2508.98,1447.46) v1@2513.24,1431.58
  Bottom Layer w10: v1@1608.9,974.29 ccw(c1592.45,974.29) 1604.08,985.92 ccw(c1615.71,997.55) v1@1615.71,981.1 ; v1(1615.71,974.29) 1470,1120 1470,1270 1490,1290 1501.33,1290 1515.14,1303.81 2321.19,1303.81 2365,1260 2455,1260 2478.81,1283.81 2478.81,1388.81 v1(2515,1425) ; v1@2508.19,1425 cw(c2491.75,1425) 2503.37,1413.37 cw(c2515,1401.75) v1@2515,1418.19
PB0: *1.18 P2.13 | length 893
  Top Layer w7: P2.13@1620,1830 P2.13@1640,1830 ; 1750,1455 1750,1455.88
  Top Layer w10: P2.13@1620,1805.47 cw(c1620,1697.97) 1696.01,1773.99 ; P2.13@1620,1815.47 cw(c1620,1732.12) 1678.94,1791.06 ; P2.13@1620,1825.47 cw(c1620,1766.26) 1661.87,1808.13 ; P2.13@1640,1830 1750,1720 1750,1455.88 ; *1.18@1719.84,1211.42 1719.84,1424.84 1750,1455
PB1: *1.19 P2.14 | length 724.3
  Top Layer w10: P2.14@1511.63,1806.94 cw(c1507.29,1795) 1520,1795 ; P2.14@1520,1830 1520,1795 ; P2.14@1528.37,1806.94 ccw(c1532.71,1795) 1520,1795 ; *1.19@1700.16,1211.42 1700.16,1409.84 1650,1460 1650,1665 1520,1795
PB3: *1.39 P4.7 | length 1278.5
  Top Layer w10: *1.39@1641.1,888.58 1641.1,735.81 1755,621.92 1755,390 2015,130 2140,130 P4.7@2205,65 ; P4.7@2180.47,65 ccw(c2121.26,65) 2163.13,106.87 ccw(c2205,148.74) P4.7@2205,89.53 ; P4.7@2190.47,65 ccw(c2155.4,65) 2180.2,89.8 ccw(c2205,114.6) P4.7@2205,79.53
PB4: *1.40 P4.6 | length 1352.8
  Top Layer w10: *1.40@1660.79,888.58 1660.79,740.17 1855,545.96 1855,320 2025,150 2220,150 P4.6@2305,65 ; P4.6@2280.47,65 ccw(c2221.26,65) 2263.13,106.87 ccw(c2305,148.74) P4.6@2305,89.53 ; P4.6@2290.47,65 ccw(c2255.4,65) 2280.2,89.8 ccw(c2305,114.6) P4.6@2305,79.53
PB5: *1.41 P4.5 | length 1369.7
  Top Layer w10: *1.41@1680.47,888.58 1680.47,744.53 1875,550 1875,410 2022.5,262.5 2198.5,262.5 2396,65 P4.5@2405,65 ; 2347.77,113.24 ccw(c2405,170.47) P4.5@2405,89.53 ; 2364.84,96.16 ccw(c2405,136.33) P4.5@2405,79.53 ; 2369.49,91.51 cw(c2342.99,65) P4.5@2380.47,65
PB6: *1.42 P4.4 P10.1 | length 2805.8
  Top Layer w7: P10.1@1325,1373.97 cw(c1325,1234.96) 1423.3,1333.26 ; P10.1@1325,1380.97 cw(c1325,1258.86) 1411.35,1345.21 ; P10.1@1325,1387.97 cw(c1325,1282.76) 1399.4,1357.16 ; P10.1@1325,1394.97 cw(c1325,1306.66) 1387.45,1369.11 ; P10.1@1325,1400 1356.55,1400 ; P10.1@1325,1401.97 cw(c1325,1330.56) 1375.5,1381.06 ; P10.1@1325,1408.97 cw(c1325,1354.46) 1363.55,1393.01 ; P10.1@1350.55,1395.05 cw(c1356.55,1393.89) 1356.55,1400 ; P10.1@1350.55,1404.95 ccw(c1356.55,1406.11) 1356.55,1400 ; 1531.18,1225.37 cw(c1505.81,1200) v1@1541.69,1200 ; 1543.13,1213.42 cw(c1529.7,1200) v1@1548.69,1200 ; v1(1550,1200) 1550,1206.55 1356.55,1400 ; v1@1675,1031.69 cw(c1675,1011.62) 1689.19,1025.81 cw(c1703.38,1040) v1@1683.31,1040 ; v1(1675,1040) 1700,1015 1700,888.74 *1.42@1700.16,888.58 1700.16,754.84 1890.5,564.5 1890.5,416.82 2029.32,278 2352,278 2505,125 ; 1700,930.2 ccw(c1706.35,930.2) *1.42@1701.86,925.72 ; P4.4@2487.22,84.01 ccw(c2448.86,125) 2505,125 ; P4.4@2492,78.89 ccw(c2463.96,108.86) 2505,108.86 ccw(c2546.04,108.86) P4.4@2518,78.89 ; P4.4@2505,65 2505,125 ; P4.4@2522.78,84.01 cw(c2561.14,125) 2505,125
  Bottom Layer w7: v1@1544.12,1194.12 cw(c1529.94,1179.94) 1550,1179.94 cw(c1570.06,1179.94) v1@1555.88,1194.12 ; v1(1550,1200) 1550,1165 v1(1675,1040) ; v1@1666.69,1040 ccw(c1646.62,1040) 1660.81,1054.19 ccw(c1675,1068.38) v1@1675,1048.31